# Altium PCB 11BRANMB10H_20170919.pcbdoc (part 5 of 7) (continued)
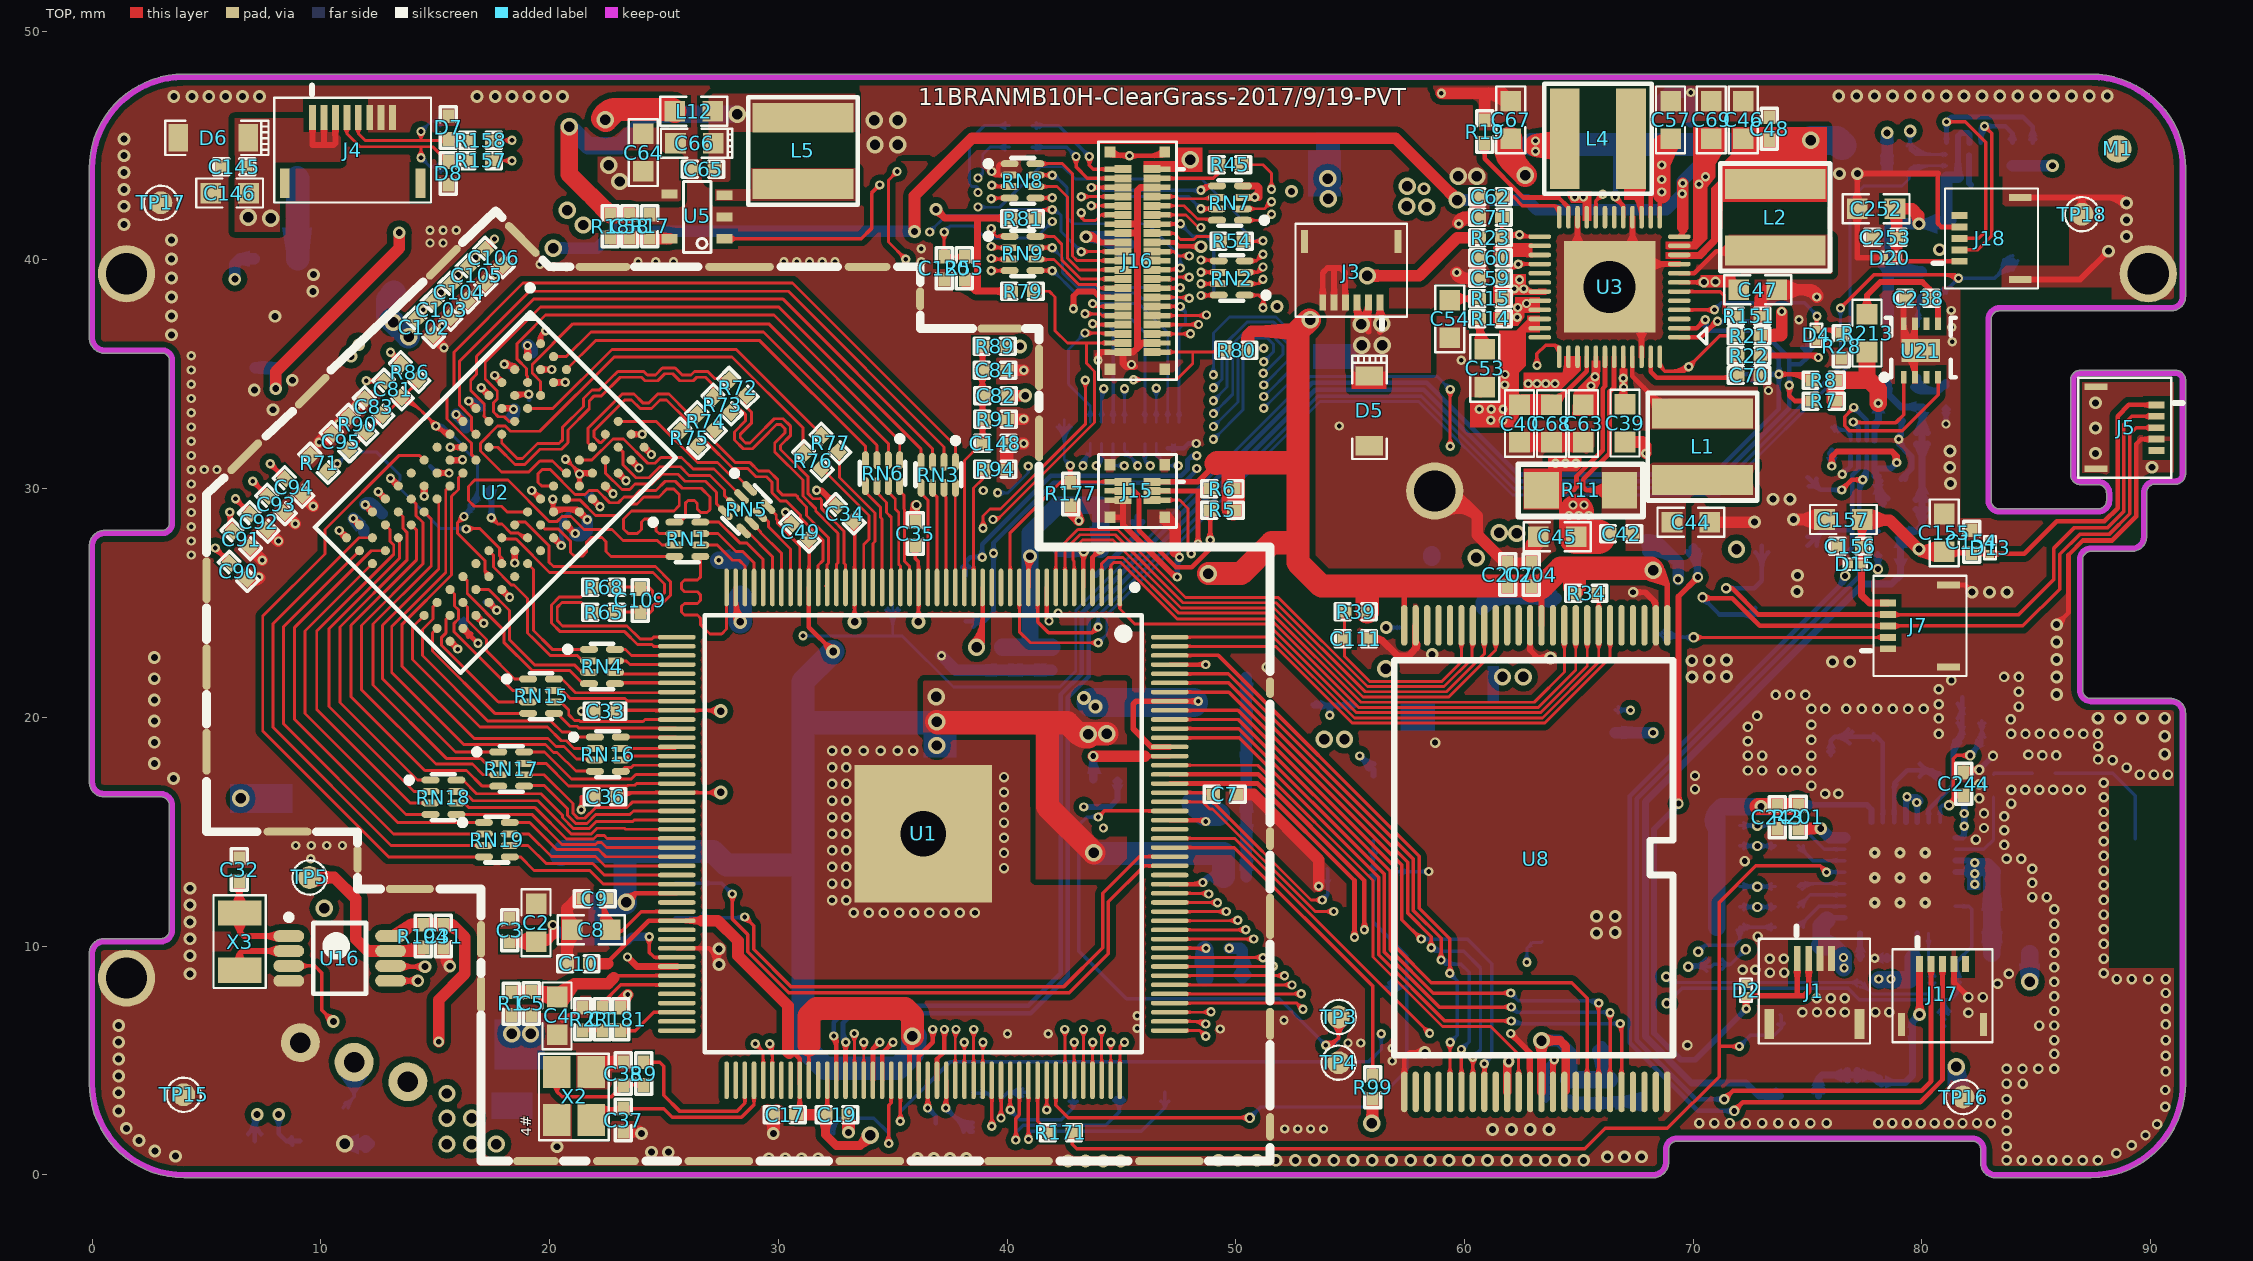
[diagram p0: TOP view]
## Nets (pads, with @x,y where several pads share a name; then routed paths per layer and width w, separated by ;. In a path a pad name is that pad's centre, name@x,y a point inside that pad or via, vN(x,y) a via of type N, cw(c..) or ccw(c..) an arc to the next point about the centre after c; other vN are vias at no path point) (continued)
N17557015: U16.2 X3.1 | length 4.3
  TOP w0.254: X3.1@6.238,9.313 ccw(c6.026,9.68) 6.45,9.68 ; X3.1@6.45,8.947 6.45,9.68 ; X3.1@6.661,9.313 cw(c6.873,9.68) 6.45,9.68 ; U16.2@8.085,9.691 ccw(c7.858,9.464) 7.858,9.785 ccw(c7.858,10.106) U16.2@8.085,9.879 ; U16.2@8.594,9.785 6.555,9.785 6.45,9.68
N17569799: C237.1 U19.4 | length 3.8
  BOTTOM w0.305: U19.4@79.638,34.441 ccw(c80.018,34.762) 80.018,34.265 ; U19.4@79.834,34.857 79.834,34.478 80.048,34.265 80.675,34.265 ; U19.4@79.87,34.638 ccw(c80.675,35.318) 80.675,34.265 ; U19.4@79.882,34.607 ccw(c80.307,34.607) 80.006,34.306 ; 80.812,34.402 cw(c81.064,34.15) C237.1@81.064,34.506 ; C237.1@81.064,34.654 80.675,34.265
N17725418: R201.2 U7.24 | length 2.2
  TOP w0.508: R201.2@74.587,15.146 75.569,15.146 v3(75.577,15.138)
  BOTTOM w0.508: v3(75.577,15.138) 75.978,14.737 U7.24@76.618,14.737
N17726905: C245.2 R155.2 R202.2 U7.31 | length 10
  BOTTOM w0.203: U7.31@80.293,15.412 80.293,15.975 81.343,17.025 81.343,18.712 ; 81.343,18.097 cw(c82.47,18.097) C245.2@81.673,18.894 ; 81.343,18.588 cw(c81.98,18.588) C245.2@81.529,19.038 ; C245.2@81.421,18.79 cw(c81.568,18.642) C245.2@81.568,18.851 ; C245.2@81.422,18.971 cw(c81.139,18.916) 81.343,18.712 ; C245.2@81.563,19.104 ccw(c81.095,19.573) 81.757,19.573 ; R202.2@81.563,19.758 cw(c81.095,19.289) 81.757,19.289 ; R202.2@81.563,19.968 ccw(c81.095,20.436) 81.757,20.436 ; R155.2@81.563,20.596 cw(c81.095,20.127) 81.757,20.127 ; R155.2@81.757,20.879 81.757,20.701 81.757,19.863 81.757,19.126 81.624,18.993 81.343,18.712
N17728099: R203.2 U7.16 | length 1.6
  BOTTOM w0.254: R203.2@77.217,9.578 ccw(c77.035,9.76) 77.293,9.76 ; 77.293,9.815 ccw(c77.629,9.815) R203.2@77.391,9.578 ; U7.16@77.293,10.562 77.293,9.452 R203.2@77.304,9.441
N17734642: C248.2 C249.2 D19.1 J17.1 R198.1 | length 15.8
  TOP w0.305: v3@79.805,7.1 ccw(c79.577,7.329) 79.9,7.329 ; v3(79.895,7.01) 79.9,7.015 J17.1@79.9,9.225 ; 79.9,7.305 ccw(c80.19,7.305) v3@79.985,7.1
  BOTTOM w0.305: R198.1@75.266,3.665 ccw(c74.758,4.173) 75.476,4.173 ccw(c76.195,4.173) R198.1@75.687,3.665 ; R198.1@75.476,3.454 75.476,4.204 75.626,4.354 C249.2@76.949,4.354 77.883,4.354 C248.2@78.156,4.081 78.199,4.038 79.273,4.038 79.579,4.344 79.579,6.248 79.579,6.694 v3(79.895,7.01) ; C249.2@76.738,4.144 ccw(c76.23,3.636) 76.23,4.354 ccw(c76.23,5.073) C249.2@76.738,4.565 ; C249.2@77.159,4.144 cw(c77.667,3.636) 77.667,4.354 cw(c77.667,5.073) C249.2@77.159,4.565 ; C249.2@77.381,4.354 cw(c77.381,3.356) C248.2@78.087,4.062 ; 77.904,4.333 ccw(c78.156,4.585) C248.2@78.156,4.229 ; C248.2@78.225,3.962 cw(c78.409,3.778) 78.409,4.038 ; v3@79.768,7.01 cw(c79.462,7.01) 79.678,6.794 cw(c79.895,6.577) v3@79.895,6.883
N17747477: R209.1 U20.5 | length 2.1
  BOTTOM w0.152: R209.1@76.065,32.687 R209.1@76.06,32.682 76.179,32.563 76.695,32.563 76.898,32.36 76.881,32.343 U20.5@76.881,32.11 ; R209.1@76.183,32.509 cw(c76.313,32.379) 76.313,32.563 ; R209.1@76.183,32.755 ccw(c76.646,33.218) 76.646,32.563 ; 76.769,32.489 cw(c76.555,32.275) U20.5@76.857,32.275
N17800108: C251.2 L7.1 L19.1 U9.6
N17800564: D12.2 L7.2 U9.4
N17849143: C238.1 R213.2 U21.5 | length 7.6
  TOP w0.254: R213.2@77.372,37.854 ccw(c76.82,38.405) 77.6,38.405 ccw(c78.38,38.405) R213.2@77.828,37.854 ; R213.2@77.6,37.626 77.6,38.46 78.18,39.04 80.021,39.04 80.331,38.729 80.334,38.729 C238.1@80.334,38.327 80.702,37.959 U21.5@80.702,37.216 ; C238.1@80.247,38.414 ccw(c80.037,38.624) 80.334,38.624 ccw(c80.631,38.624) C238.1@80.421,38.414 ; C238.1@80.507,38.327 ccw(c80.925,38.327) 80.629,38.032
N167142980: C53.1 R14.1 | length 4.3
  TOP w0.254: R14.1@60.549,37.335 cw(c60.339,37.125) 60.636,37.125 cw(c60.933,37.125) R14.1@60.723,37.335 ; 60.636,36.827 ccw(c61.589,36.827) C53.1@60.93,36.138 ; 60.746,37.01 cw(c61.193,37.13) R14.1@60.793,37.361 ; C53.1@60.882,36.089 60.636,36.334 R14.1@60.636,37.422 ccw(c62.16,37.422) C53.1@61.105,36.322
NALE: U1.7 U8.17 | length 25.3
  TOP w0.127: U1.7@42.535,25.683 42.535,27.33 43.189,27.984 44.727,27.984 47.696,25.015 51.764,25.015 55.659,21.12 59.216,21.12 60.867,22.771 U8.17@60.867,24.024 ; U8.17@60.815,23.22 cw(c60.688,23.094) 60.867,23.094 cw(c61.046,23.094) U8.17@60.919,23.22
NCE0-N: U1.2 U8.9 | length 26.9
  TOP w0.127: U1.2@44.535,25.683 44.535,26.64 44.662,26.767 44.974,26.767 47.438,24.303 51.505,24.303 55.374,20.434 63.225,20.434 64.867,22.076 U8.9@64.867,24.024 ; U8.9@64.815,23.22 cw(c64.688,23.094) 64.867,23.094 cw(c65.046,23.094) U8.9@64.919,23.22
NCE1-N: U1.3 U8.10 | length 26.9
  TOP w0.127: U1.3@44.135,25.683 44.135,26.716 44.415,26.996 45.069,26.996 47.507,24.557 51.575,24.557 55.469,20.663 63.051,20.663 64.367,21.979 U8.10@64.367,24.024 ; U8.10@64.315,23.22 cw(c64.188,23.094) 64.367,23.094 cw(c64.546,23.094) U8.10@64.419,23.22
NCLE: U1.6 U8.16 | length 25.4
  TOP w0.127: U1.6@42.935,25.683 42.935,26.821 42.883,26.873 42.883,27.346 43.293,27.756 44.632,27.756 47.602,24.786 51.669,24.786 55.564,20.892 59.31,20.892 61.367,22.948 U8.16@61.367,24.024 ; U8.16@61.315,23.22 cw(c61.188,23.094) 61.367,23.094 cw(c61.546,23.094) U8.16@61.419,23.22
ND0: U1.174 U8.29 | length 27.8
  TOP w0.152: U1.174@47.11,22.708 49.244,22.708 58.024,13.928 58.024,11.656 59.358,10.322 v1(59.358,8.81) ; v1@59.268,8.899 ccw(c59.051,9.116) 59.358,9.116 ccw(c59.665,9.116) v1@59.448,8.899 ; v1@59.282,5.701 cw(c59.077,5.497) 59.367,5.497 ; U8.29@59.324,4.419 ccw(c59.219,4.523) 59.367,4.523 ccw(c59.515,4.523) U8.29@59.41,4.419 ; U8.29@59.367,3.624 v1@59.367,5.791 ; 59.367,5.473 cw(c59.691,5.473) v1@59.462,5.701
  BOTTOM w0.152: v1@59.358,8.683 cw(c59.358,8.376) 59.575,8.593 cw(c59.792,8.81) v1@59.485,8.81 ; v1(59.358,8.81) 59.688,8.479 59.688,6.107 v1(59.372,5.791) ; v1@59.372,5.918 ccw(c59.372,6.225) 59.589,6.008 ccw(c59.806,5.791) v1@59.499,5.791
ND1: U1.172 U8.30 | length 28.6
  TOP w0.152: U1.172@47.11,21.908 49.663,21.908 57.77,13.801 57.77,11.551 58.977,10.344 v1(58.977,9.394) ; v1@58.887,9.484 ccw(c58.67,9.7) 58.977,9.7 ccw(c59.284,9.7) v1@59.067,9.484 ; v1@59.776,5.392 cw(c59.557,5.173) 59.867,5.173 ; U8.30@59.824,4.419 ccw(c59.719,4.523) 59.867,4.523 ccw(c60.015,4.523) U8.30@59.91,4.419 ; U8.30@59.867,3.624 v1@59.867,5.481 ; 59.867,5.178 cw(c60.17,5.178) v1@59.956,5.392 ; v1(59.866,5.482) v1@59.867,5.481
  BOTTOM w0.152: v1@58.959,9.376 ccw(c59.345,9.762) 59.345,9.216 ; v1(58.977,9.394) 59.155,9.216 59.841,9.216 60.2,8.856 60.2,5.816 v1(59.866,5.482) ; v1@59.067,9.484 ccw(c59.713,10.13) 59.713,9.216 ; v1@59.866,5.609 ccw(c59.866,5.916) 60.083,5.699 ccw(c60.3,5.482) v1@59.993,5.482
ND2: U1.171 U8.31 | length 28.6
  TOP w0.152: U1.171@47.11,21.508 49.682,21.508 57.516,13.674 57.516,11.445 58.545,10.417 v1(58.545,9.927) ; v1@58.455,10.017 ccw(c58.239,10.234) 58.545,10.234 ccw(c58.852,10.234) v1@58.635,10.017 ; v1@60.277,5.044 cw(c60.06,4.827) 60.367,4.827 cw(c60.674,4.827) v1@60.457,5.044 ; U8.31@60.324,4.419 ccw(c60.219,4.523) 60.367,4.523 ccw(c60.515,4.523) U8.31@60.41,4.419 ; U8.31@60.367,3.624 v1(60.367,5.134)
  BOTTOM w0.152: v1@58.527,9.909 ccw(c58.852,10.234) 58.852,9.775 ; v1(58.545,9.927) 58.698,9.775 59.968,9.775 60.7,9.042 60.7,5.467 v1(60.367,5.134) ; v1@58.635,10.017 ccw(c59.22,10.602) 59.22,9.775 ; v1@60.367,5.261 ccw(c60.367,5.567) 60.584,5.35 ccw(c60.801,5.134) v1@60.494,5.134
ND3: U1.170 U8.32 | length 28.4
  TOP w0.152: U1.170@47.11,21.108 49.702,21.108 57.262,13.547 57.262,11.159 v1(58.113,10.308) ; v1@57.986,10.308 ccw(c57.68,10.308) 57.897,10.525 ccw(c58.113,10.742) v1@58.113,10.435 ; v1@60.777,4.772 cw(c60.56,4.556) 60.867,4.556 cw(c61.174,4.556) v1@60.957,4.772 ; U8.32@60.824,4.419 ccw(c60.719,4.523) 60.867,4.523 ccw(c61.015,4.523) U8.32@60.91,4.419 ; U8.32@60.831,3.66 U8.32@60.867,3.624 v1(60.867,4.862)
  BOTTOM w0.152: v1(58.113,10.308) 60.12,10.308 61.2,9.228 61.2,5.195 v1(60.867,4.862) ; v1@58.203,10.218 cw(c58.42,10.002) 58.42,10.308 cw(c58.42,10.615) v1@58.203,10.398 ; v1@60.867,4.989 ccw(c60.867,5.296) 61.084,5.079 ccw(c61.301,4.862) v1@60.994,4.862
ND4: U1.168 U8.41 | length 29.8
  TOP w0.152: U1.168@47.11,20.308 50.095,20.308 57.008,13.394 57.008,9.936 58.542,8.403 64.685,8.403 65.367,7.722 U8.41@65.367,3.624 ; U8.41@65.324,4.419 ccw(c65.219,4.523) 65.367,4.523 ccw(c65.515,4.523) U8.41@65.41,4.419
ND5: U1.167 U8.42 | length 32.2
  TOP w0.152: U1.167@47.11,19.908 50.114,19.908 56.754,13.267 56.754,9.831 58.64,7.946 v1(62.025,7.946) ; v1@61.935,7.856 ccw(c61.718,7.639) 61.718,7.946 ccw(c61.718,8.253) v1@61.935,8.036 ; v1@65.777,7.418 cw(c65.56,7.201) 65.867,7.201 cw(c66.174,7.201) v1@65.957,7.418 ; U8.42@65.824,4.419 ccw(c65.719,4.523) 65.867,4.523 ccw(c66.015,4.523) U8.42@65.91,4.419 ; U8.42@65.867,3.624 v1(65.867,7.508)
  BOTTOM w0.152: v1@62.025,7.819 cw(c62.025,7.512) 62.242,7.729 cw(c62.459,7.946) v1@62.152,7.946 ; v1(62.025,7.946) 62.359,7.612 65.763,7.612 v1(65.867,7.508) ; 65.309,7.612 cw(c65.309,6.95) v1@65.777,7.418 ; 65.677,7.612 cw(c65.677,7.318) v1@65.885,7.526
ND6: U1.166 U8.43 | length 32.1
  TOP w0.152: U1.166@47.11,19.508 50.133,19.508 56.5,13.14 56.5,9.726 58.89,7.336 v1(62.05,7.336) ; v1@61.961,7.247 ccw(c61.744,7.03) 61.744,7.336 ccw(c61.744,7.643) v1@61.961,7.426 ; v1@66.277,6.991 cw(c66.06,6.774) 66.367,6.774 cw(c66.674,6.774) v1@66.457,6.991 ; U8.43@66.324,4.419 ccw(c66.219,4.523) 66.367,4.523 ccw(c66.515,4.523) U8.43@66.41,4.419 ; U8.43@66.367,3.624 66.367,7.05 66.352,7.066 66.336,7.081 v1(66.367,7.081)
  BOTTOM w0.152: v1@62.05,7.209 cw(c62.05,6.903) 62.267,7.12 cw(c62.484,7.336) v1@62.177,7.336 ; v1(62.05,7.336) 62.275,7.112 66.336,7.112 v1(66.367,7.081) ; 65.986,7.112 cw(c65.986,6.7) v1@66.277,6.991 ; 66.135,7.112 ccw(c66.135,7.313) v1@66.277,7.171
ND7: U1.165 U8.44 | length 32.3
  TOP w0.152: U1.165@47.11,19.108 50.152,19.108 56.246,13.013 56.246,9.621 59.14,6.727 v1(62.05,6.727) ; v1@61.961,6.637 ccw(c61.744,6.42) 61.744,6.727 ccw(c61.744,7.033) v1@61.961,6.817 ; v1@66.724,6.522 cw(c66.378,6.176) 66.867,6.176 ; v1(66.814,6.612) 66.867,6.558 U8.44@66.867,3.624 U8.44@66.851,3.64 ; U8.44@66.824,4.419 ccw(c66.719,4.523) 66.867,4.523 ccw(c67.015,4.523) U8.44@66.91,4.419
  BOTTOM w0.152: v1@62.032,6.709 ccw(c62.267,6.943) 62.267,6.612 ; v1(62.05,6.727) 62.165,6.612 v1(66.814,6.612) ; v1@62.14,6.817 ccw(c62.635,7.311) 62.635,6.612 ; v1@66.724,6.522 ccw(c66.507,6.305) 66.507,6.612 ccw(c66.507,6.918) v1@66.724,6.702
NDQS: U1.162 U8.35 | length 24.4
  TOP w0.127: U1.162@47.11,17.908 50.961,17.908 56.005,12.864 56.005,9.521 59.04,6.486 61.149,6.486 62.367,5.267 U8.35@62.367,3.624 ; U8.35@62.315,4.428 ccw(c62.188,4.554) 62.367,4.554 ccw(c62.546,4.554) U8.35@62.419,4.428
NMI-N: R21.1 U1.158 U3.48 U16.3 | length 110.4
  TOP w0.127: U1.158@47.11,16.308 48.556,16.308 48.865,15.999 48.986,15.999 53.471,11.514 v1(54.278,11.514) ; v1@54.179,11.415 ccw(c53.941,11.177) 53.941,11.514 ccw(c53.941,11.851) v1@54.179,11.613
  TOP w0.152: U16.3@8.594,9.135 9.724,9.135 10.045,8.814 10.045,7.195 v3(10.539,6.701) ; U16.3@9.139,9.005 cw(c9.452,8.692) 9.452,9.135 cw(c9.452,9.579) U16.3@9.139,9.265 ; v3@10.336,6.701 ccw(c9.845,6.701) 10.192,7.048 ccw(c10.539,7.395) v3@10.539,6.905 ; U3.48@68.543,35.769 68.543,35.349 68.756,35.136 69.616,35.136 ; 69.033,35.136 ccw(c69.033,36.11) v1@69.722,35.421 ; 69.401,35.136 ccw(c69.401,35.742) v1@69.829,35.313 ; v1@69.685,35.322 cw(c69.448,35.304) 69.616,35.136 ; v1@69.802,35.205 ccw(c69.784,34.968) 69.616,35.136 ; v1@69.811,35.458 ccw(c69.811,35.765) 70.028,35.548 ccw(c70.245,35.331) v1@69.938,35.331 ; R21.1@71.766,36.56 ccw(c71.47,36.263) 71.47,36.683 ccw(c71.47,37.103) R21.1@71.766,36.806 ; R21.1@71.939,36.683 71.163,36.683 v1(69.811,35.331) 69.616,35.136
  Singal w0.152: v3(10.539,6.701) 15.259,6.701 18.053,3.907 35.674,3.907 37.046,5.279 45.656,5.279 46.049,5.672 51.917,5.672 53.492,7.247 53.492,10.728 v1(54.278,11.514) 55.613,12.849 55.613,16.997 63.29,24.674 63.29,33.521 62.406,34.406 62.406,35.39 62.787,35.771 64.52,35.771 64.96,35.331 v1(69.811,35.331) ; v3@10.683,6.558 cw(c11.03,6.211) 11.03,6.701 cw(c11.03,7.192) v3@10.683,6.845 ; v1@54.151,11.514 cw(c53.844,11.514) 54.061,11.297 cw(c54.278,11.08) v1@54.278,11.387 ; v1@54.278,11.641 ccw(c54.278,11.948) 54.495,11.731 ccw(c54.712,11.514) v1@54.405,11.514 ; v1@69.722,35.242 ccw(c69.505,35.025) 69.505,35.331 ccw(c69.505,35.638) v1@69.722,35.421
NRB0-N: R34.2 U1.176 U8.7 | length 25.8
  TOP w0.127: U1.176@47.11,23.508 51.654,23.508 55.185,19.977 63.414,19.977 65.87,22.433 65.87,24.021 U8.7@65.867,24.024 65.867,25.421 65.867,25.647 65.816,25.698 ; R34.2@65.745,25.289 cw(c65.451,24.995) 65.867,24.995 ; U8.7@65.815,23.22 cw(c65.682,23.087) 65.87,23.087 ; U8.7@65.815,24.828 ccw(c65.688,24.954) 65.867,24.954 ccw(c66.046,24.954) U8.7@65.919,24.828 ; 65.867,24.947 cw(c66.351,24.947) R34.2@66.009,25.289 ; 65.87,23.101 cw(c66.039,23.101) U8.7@65.919,23.22
NRB1-N: U1.175 U8.6 | length 23.5
  TOP w0.127: U1.175@47.11,23.108 51.731,23.108 55.09,19.748 63.509,19.748 66.367,22.606 U8.6@66.367,24.024 ; U8.6@66.315,23.22 cw(c66.188,23.094) 66.367,23.094 cw(c66.546,23.094) U8.6@66.419,23.22
NRE-N: U1.1 U8.8 | length 26.2
  TOP w0.127: U1.1@44.935,25.683 44.935,24.735 45.595,24.075 51.411,24.075 55.28,20.206 63.32,20.206 65.367,22.253 U8.8@65.367,24.024 ; U8.8@65.315,23.22 cw(c65.188,23.094) 65.367,23.094 cw(c65.546,23.094) U8.8@65.419,23.22
NWE-N: U1.8 U8.18 | length 25.2
  TOP w0.127: U1.8@42.135,25.683 42.135,27.253 43.095,28.213 44.828,28.213 47.798,25.243 51.859,25.243 55.753,21.349 59.108,21.349 60.337,22.578 60.337,23.994 U8.18@60.367,24.024 ; 60.337,23.022 cw(c60.618,23.022) U8.18@60.419,23.22
NWP-N: C111.2 R39.2 U8.19 | length 11.9
  TOP w0.127: C111.2@54.621,23.308 cw(c54.302,22.99) 54.753,22.99 cw(c55.203,22.99) C111.2@54.884,23.308 ; C111.2@54.621,23.572 ccw(c54.302,23.89) 54.753,23.89 ccw(c55.203,23.89) C111.2@54.884,23.572 ; R39.2@54.621,24.476 cw(c54.302,24.158) 54.753,24.158 cw(c55.203,24.158) R39.2@54.884,24.476 ; R39.2@54.753,24.608 C111.2@54.753,23.44 54.753,22.673 55.848,21.577 59.013,21.577 59.867,22.431 U8.19@59.867,24.024 ; U8.19@59.815,23.22 cw(c59.688,23.094) 59.867,23.094 cw(c60.046,23.094) U8.19@59.919,23.22
O_RESET: J7.2 R131.2 TP86.1 U1.108 | length 70.9
  TOP w0.127: v2@70.045,23.5 J7.2@78.52,23.5 ; v2@70.131,23.378 cw(c70.426,23.084) 70.426,23.5 ; v2@70.131,23.612 ccw(c70.401,23.881) 70.401,23.5 ; J7.2@78.259,23.439 ccw(c78.112,23.291) 78.112,23.5 ccw(c78.112,23.709) J7.2@78.259,23.561
  TOP w0.152: v1@35.242,2.426 ccw(c35.016,2.652) 35.335,2.652 ; v1@35.335,2.338 U1.108@35.335,4.133 ; 35.335,2.634 ccw(c35.629,2.634) v1@35.421,2.426
  Singal w0.127: v1@67.159,20.415 ccw(c66.92,20.653) 67.257,20.653 ccw(c67.595,20.653) v1@67.356,20.415 ; v1(67.257,20.316) 67.257,20.738 v2(70.015,23.495) ; v2@69.849,23.495 cw(c69.451,23.495) 69.733,23.213 cw(c70.015,22.931) v2@70.015,23.33
  Singal w0.152: v1(56.361,6.168) 56.361,6.173 57.422,7.235 60.015,7.235 60.806,8.026 60.806,10.308 67.257,16.76 v1(67.257,20.316) ; v1@56.361,6.295 ccw(c56.361,6.589) 56.568,6.381 ; v1@56.488,6.168 cw(c56.807,6.168) 56.581,6.394 ; v1@67.168,20.226 cw(c66.951,20.009) 67.257,20.009 cw(c67.564,20.009) v1@67.347,20.226
  BOTTOM w0.127: TP86.1@68.5,23.677 68.539,23.639 68.682,23.495 v2(70.015,23.495) ; TP86.1@68.629,23.729 ccw(c69.194,24.294) 69.194,23.495 ; TP86.1@68.719,23.381 cw(c68.994,23.106) 68.994,23.495 ; TP86.1@68.719,23.819 ccw(c69.501,24.601) 69.501,23.495 ; TP86.1@68.809,23.291 cw(c69.3,22.8) 69.3,23.495 ; TP86.1@68.809,23.909 ccw(c69.807,24.907) v2@69.807,23.495 ; 69.545,23.533 ccw(c69.616,24.027) v2@69.916,23.627 ; 69.686,23.512 cw(c69.644,23.218) v2@69.882,23.396 ; v2@69.898,23.378 ccw(c69.616,23.096) 69.616,23.495 ccw(c69.616,23.894) v2@69.898,23.612
  BOTTOM w0.152: v1@35.242,2.426 ccw(c35.025,2.643) 35.331,2.643 ccw(c35.638,2.643) v1@35.421,2.426 ; v1(35.331,2.337) 35.331,2.756 37.528,4.953 55.827,4.953 56.361,5.486 v1(56.361,6.168) ; v1@56.271,6.078 cw(c56.054,5.861) 56.361,5.861 cw(c56.667,5.861) v1@56.451,6.078 ; R131.2@66.597,20.333 66.614,20.316 v1(67.257,20.316) ; R131.2@66.72,20.21 cw(c66.975,19.956) 66.975,20.316 ; R131.2@66.72,20.456 ccw(c67.059,20.795) v1@67.059,20.316 ; 66.905,20.357 ccw(c66.985,20.654) v1@67.178,20.415 ; v1@67.168,20.226 ccw(c66.951,20.009) 66.951,20.316 ccw(c66.951,20.622) v1@67.168,20.406
ODT: RN19.4 U2.K1 | length 27.6
  TOP w0.127: U2.K1@14.513,31.248 14.318,31.443 13.399,31.443 10.173,28.217 10.173,27.151 7.455,24.433 7.455,19.404 12.955,13.904 RN19.4@17.127,13.904
P_RX_UART1: J6.5 U1.152 | length 29.3
  TOP w0.152: v1@28.537,11.146 cw(c28.537,10.84) 28.754,11.056 cw(c28.97,11.273) v1@28.664,11.273 ; v1(28.537,11.273) 28.922,10.888 28.922,9.855 30.565,8.212 42.467,8.212 44.178,9.923 44.178,12.308 45.778,13.908 U1.152@47.11,13.908
  BOTTOM w0.152: J6.5@25.5,11.25 28.513,11.25 v1(28.537,11.273) ; J6.5@26.694,11.056 cw(c27.161,10.589) 27.161,11.25 cw(c27.161,11.911) J6.5@26.694,11.443 ; 28.174,11.25 ccw(c28.174,11.636) v1@28.447,11.363 ; 28.286,11.25 cw(c28.286,11.023) v1@28.447,11.183
P_TX_UART1: J6.6 U1.151 | length 30.3
  TOP w0.152: v1@27.899,12.186 cw(c27.682,11.969) 27.989,11.969 cw(c28.296,11.969) v1@28.079,12.186 ; v1(27.989,12.276) 27.989,11.186 28.668,10.507 28.668,9.75 30.459,7.958 42.721,7.958 44.432,9.669 44.432,11.933 46.007,13.508 U1.151@47.11,13.508
  BOTTOM w0.152: J6.6@25.5,12.75 27.515,12.75 v1(27.989,12.276) ; J6.6@26.694,12.556 cw(c27.161,12.089) 27.161,12.75 cw(c27.161,13.411) J6.6@26.694,12.943 ; v1@27.862,12.276 ccw(c27.555,12.276) 27.772,12.493 ccw(c27.989,12.71) v1@27.989,12.403
RAS: RN16.3 U2.J3 | length 19.7
  TOP w0.127: U2.J3@16.21,30.682 16.01,30.482 16.01,29.965 15.71,29.665 15.71,26.232 13.551,24.073 13.551,22.227 16.705,19.073 19.929,19.073 20.279,18.724 20.628,18.724 21.168,18.184 21.937,18.184 RN16.3@21.981,18.141
RESET-N: C7.2 C71.2 R23.1 TP88.1 U1.159 U3.25 | length 54.4
  TOP w0.127: 48.704,16.708 ccw(c48.704,16.894) C7.2@48.835,16.762 ; C7.2@48.79,16.572 ccw(c48.603,16.511) 48.603,16.708 48.947,16.708 C7.2@49.021,16.634 ; C7.2@48.897,16.488 cw(c48.676,16.228) 49.017,16.228 ; C7.2@49.017,16.63 49.017,16.228 ; C7.2@49.138,16.488 ccw(c49.358,16.228) 49.017,16.228 ; v1@53.685,11.915 ccw(c53.447,11.677) 53.447,12.014 ccw(c53.447,12.351) v1@53.685,12.113 ; v1(53.784,12.014) 53.294,12.014 49.08,16.228 49.017,16.228
  TOP w0.152: U1.159@47.11,16.708 48.603,16.708 ; R23.1@61.513,41.101 ccw(c61.216,41.398) 61.636,41.398 ccw(c62.056,41.398) R23.1@61.759,41.101 ; C71.2@61.513,41.744 cw(c61.216,41.447) 61.636,41.447 ; 61.636,41.447 cw(c62.056,41.447) C71.2@61.759,41.744 ; C71.2@61.636,41.867 R23.1@61.636,40.978 61.763,41.105 v1(62.406,41.105) ; R23.1@61.701,40.963 cw(c62.041,40.627) 62.041,41.105 ; R23.1@61.81,40.856 cw(c62.406,40.267) v1(62.406,41.105) ; v1@62.296,41.169 cw(c62.031,41.322) 62.11,41.026 cw(c62.189,40.729) v1@62.342,40.995 ; v1@62.316,41.015 ccw(c62.099,40.798) 62.099,41.105 ccw(c62.099,41.412) v1@62.316,41.195 ; v1@62.496,41.195 ccw(c62.92,41.619) U3.25@62.92,41.019 ; U3.25@63.293,41.019 62.492,41.019 v1(62.406,41.105)
  Singal w0.152: v1(53.784,12.014) 54.724,12.954 54.724,16.967 62.852,25.095 62.852,32.907 60.882,34.877 60.882,40.343 61.644,41.105 v1(62.406,41.105) ; v1@53.784,12.141 ccw(c53.784,12.448) 54.001,12.231 ccw(c54.218,12.014) v1@53.911,12.014 ; v1@62.316,41.015 ccw(c62.099,40.798) 62.099,41.105 ccw(c62.099,41.412) v1@62.316,41.195
  BOTTOM w0.152: v1(53.784,12.014) 54.013,12.243 54.013,13.364 TP88.1@54,13.377 ; v1@53.784,12.141 ccw(c53.784,12.448) 54.001,12.231 ccw(c54.218,12.014) v1@53.911,12.014
RST: RN19.2 U2.T2 | length 19.7
  TOP w0.127: U2.T2@11.685,27.288 8.37,23.973 8.37,19.708 13.174,14.904 RN19.2@17.127,14.904
RTCVDD: C31.2 C59.2 R21.2 R194.2 TP50.1 U3.28 U16.8 | length 115.5
  TOP w0.152: C59.2@61.636,39.2 62.255,39.819 v1(62.357,39.819) U3.28@63.293,39.819 ; 61.966,39.53 cw(c62.357,39.139) v1@62.357,39.692 ; v1@62.447,39.729 cw(c62.664,39.512) 62.664,39.819 cw(c62.664,40.126) v1@62.447,39.909
  TOP w0.508: U16.8@13.044,10.435 13.394,10.435 13.898,10.939 R194.2@14.465,10.939 C31.2@15.354,10.939 15.743,10.939 16.294,10.389 16.294,8.788 15.151,7.645 v2(15.151,5.817) ; C31.2@15.354,10.893 cw(c15.354,9.843) 16.096,10.586 ; R21.2@72.939,36.683 73.838,36.683 ; 73.875,36.72 v1@73.875,37.719
  Singal w0.508: v2(15.151,5.817) 17.746,3.221 35.958,3.221 37.181,4.445 45.795,4.445 46.235,4.885 52.107,4.885 54.444,7.222 54.444,10.427 56.72,12.703 60.543,12.703 65.138,17.297 65.138,21.819 69.345,26.026 69.354,26.035 69.354,33.757 71.107,35.509 71.107,36.203 ; v1@62.279,39.835 62.357,39.835 63.168,39.835 63.676,39.327 63.676,36.66 64.133,36.203 71.107,36.203 ; v1@73.875,37.719 73.875,37.059 73.02,36.203 71.107,36.203
  BOTTOM w0.508: TP50.1@67.975,27.761 cw(c68.047,27.012) 68.579,27.544 ; TP50.1@68,27.5 68.623,27.5 69.34,26.783 ; TP50.1@68.024,27.255 cw(c68.182,25.625) 69.34,26.783 ; TP50.1@68.174,27.326 cw(c68.594,26.906) 68.594,27.5 cw(c68.594,28.094) TP50.1@68.174,27.674 ; v2(69.34,26.031) 69.34,26.783
  other v1: 73.875,37.744
SA0: RN17.5 U1.64 | length 7.8
  TOP w0.127: RN17.5@18.882,16.992 18.905,17.015 19.774,17.015 20.788,16.001 20.788,15.712 21.138,15.362 21.632,15.362 22.031,15.761 23.514,15.761 23.661,15.908 U1.64@25.56,15.908
SA1: RN15.7 U1.52 | length 5.6
  TOP w0.127: RN15.7@20.187,21.178 20.55,21.178 20.902,20.825 23.297,20.825 23.414,20.708 U1.52@25.56,20.708
SA2: RN18.7 U1.66 | length 10.5
  TOP w0.127: RN18.7@15.92,16.758 16.248,16.758 16.649,16.357 19.493,16.357 20.945,14.905 21.822,14.905 22.068,15.152 23.276,15.152 23.32,15.108 U1.66@25.56,15.108
SA3: RN18.8 U1.65 | length 10.7
  TOP w0.127: RN18.8@15.92,17.258 16.205,17.258 16.802,16.661 19.619,16.661 20.559,15.721 20.559,15.617 21.043,15.134 21.727,15.134 22.05,15.456 23.641,15.456 23.692,15.508 U1.65@25.56,15.508
SA4: RN15.8 U1.51 | length 5.9
  TOP w0.127: RN15.8@20.187,21.678 20.535,21.678 21.133,21.079 U1.51@25.27,21.079 ; U1.51@25.27,21.079 25.299,21.108 U1.51@25.56,21.108 U1.51@25.27,21.079
SA5: RN18.6 U1.67 | length 10.4
  TOP w0.127: RN18.6@15.92,16.258 16.269,16.258 16.475,16.052 19.366,16.052 20.742,14.676 21.916,14.676 22.072,14.832 22.388,14.832 22.512,14.708 U1.67@25.56,14.708
SA6: RN15.6 U1.54 | length 5.9
  TOP w0.127: RN15.6@20.187,20.678 20.481,20.678 20.835,20.325 20.835,20.118 21.085,19.867 21.3,19.867 21.354,19.813 24.068,19.813 24.163,19.908 U1.54@25.56,19.908
SA7: RN19.6 U1.71 | length 7.8
  TOP w0.127: RN19.6@18.257,14.404 19.059,14.404 19.851,13.612 21.882,13.612 22.387,13.108 U1.71@25.56,13.108
SA8: RN15.5 U1.55 | length 5.9
  TOP w0.127: U1.55@25.56,19.508 25.533,19.535 21.273,19.535 21.194,19.613 20.89,19.613 RN15.5@20.413,20.09 ; RN15.5@20.413,20.09 RN15.5@20.187,20.178 20.275,20.09 RN15.5@20.413,20.09
SA9: RN19.8 U1.69 | length 7.9
  TOP w0.127: RN19.8@18.257,15.404 19.126,15.404 20.311,14.219 22.106,14.219 22.109,14.222 22.135,14.222 22.449,13.908 U1.69@25.56,13.908
SA10: RN4.7 U1.48 | length 2.8
  TOP w0.127: RN4.7@22.854,22.473 23.343,22.473 23.508,22.308 U1.48@25.56,22.308
SA11: RN16.8 U1.56 | length 2.5
  TOP w0.127: RN16.8@23.11,19.141 25.527,19.141 U1.56@25.56,19.108
SA12: RN4.5 U1.50 | length 2.7
  TOP w0.152: RN4.5@22.854,21.473 22.889,21.508 U1.50@25.56,21.508
SA13: RN18.5 U1.68 | length 10.3
  TOP w0.127: RN18.5@15.92,15.758 15.931,15.747 19.24,15.747 20.539,14.448 22.011,14.448 22.09,14.527 22.261,14.527 22.48,14.308 U1.68@25.56,14.308
SA14: RN16.7 U1.57 | length 2.5
  TOP w0.127: RN16.7@23.11,18.641 25.493,18.641 U1.57@25.56,18.708
SBA0: RN17.6 U1.63 | length 8
  TOP w0.127: RN17.6@18.882,17.492 19.759,17.492 21.017,16.234 21.017,15.806 21.232,15.591 21.538,15.591 22.013,16.066 23.388,16.066 23.63,16.308 U1.63@25.56,16.308
SBA1: RN4.6 U1.49 | length 3.2
  TOP w0.127: RN4.6@22.854,21.973 22.934,21.893 U1.49@25.121,21.893 ; U1.49@25.121,21.893 25.135,21.908 U1.49@25.56,21.908 U1.49@25.121,21.893
SBA2: RN17.7 U1.61 | length 7.1
  TOP w0.127: RN17.7@18.882,17.992 19.84,17.992 20.827,17.005 23.404,17.005 23.431,17.033 23.724,17.033 23.799,17.108 U1.61@25.56,17.108
SCAS: RN16.5 U1.59 | length 2.6
  TOP w0.127: RN16.5@23.11,17.641 23.28,17.81 23.57,17.81 23.668,17.908 U1.59@25.56,17.908
SCK: R65.2 U1.45 | length 7.9
  TOP w0.127: R65.2@21.795,24.604 21.382,25.017 20.536,25.017 20.333,24.814 20.333,24.233 20.566,24.001 23.385,24.001 23.951,23.435 24.48,23.435 24.553,23.508 U1.45@25.56,23.508
SCK-N: R68.2 U1.46 | length 8.7
  TOP w0.127: R68.2@21.795,25.696 21.37,25.271 20.431,25.271 20.079,24.919 20.079,24.128 20.46,23.747 23.28,23.747 23.846,23.181 24.48,23.181 24.553,23.108 U1.46@25.56,23.108
SCKE: RN4.8 U1.47 | length 2.8
  TOP w0.127: RN4.8@22.854,22.973 23.319,22.973 23.584,22.708 U1.47@25.56,22.708
SD_CLK_1: R171.2 TP43.1 U7.21 | length 50.9
  TOP w0.152: R171.2@42.731,1.706 cw(c42.434,1.409) 42.854,1.409 cw(c43.274,1.409) R171.2@42.977,1.706 ; R171.2@42.854,1.829 42.854,1.329 43.04,1.143 65.265,1.143 66.154,2.032 68.872,2.032 71.132,4.293 71.132,5.613 ; v1@71.931,5.524 ccw(c71.715,5.307) 71.715,5.613 ccw(c71.715,5.92) v1@71.931,5.703 ; v1(72.021,5.613) 71.132,5.613 ; v1@75.704,13.233 ccw(c75.398,13.233) 75.614,13.45 ccw(c75.831,13.667) v1@75.831,13.36 ; v1(75.831,13.233) 75.552,13.513 72.737,13.513 71.132,11.908 71.132,5.613
  BOTTOM w0.152: v1(72.021,5.613) 72.504,6.096 73.545,6.096 73.85,6.401 73.85,6.95 TP43.1@73.8,7 ; v1@72.021,5.74 ccw(c72.021,6.047) 72.238,5.83 ccw(c72.455,5.613) v1@72.148,5.613 ; TP43.1@73.701,6.588 cw(c73.655,6.399) 73.85,6.399 cw(c74.097,6.399) TP43.1@73.988,6.62 ; v1(75.831,13.233) 76.614,13.233 U7.21@76.618,13.237 ; v1@75.921,13.144 cw(c76.138,12.927) 76.138,13.233 cw(c76.138,13.54) v1@75.921,13.323 ; 76.216,13.233 ccw(c76.216,13.364) U7.21@76.308,13.272